# Altium PCB Daughterboard_Rev1_A.PcbDoc (part 2 of 3)
Units mil, origin at the board's own origin, x right, y up, seen from the top; angles counter-clockwise.
Board outline 2125 x 3350 mil, 8 copper layers (Top Layer, GND 1, Signal 1, GND 2, Signal 2, PWR, GND 3, Bottom Layer), stack 59.978 mil thick; 472 components, 211 nets, 1640 pads, 778 vias.
Unrouted connection lines stored in the file: 738.
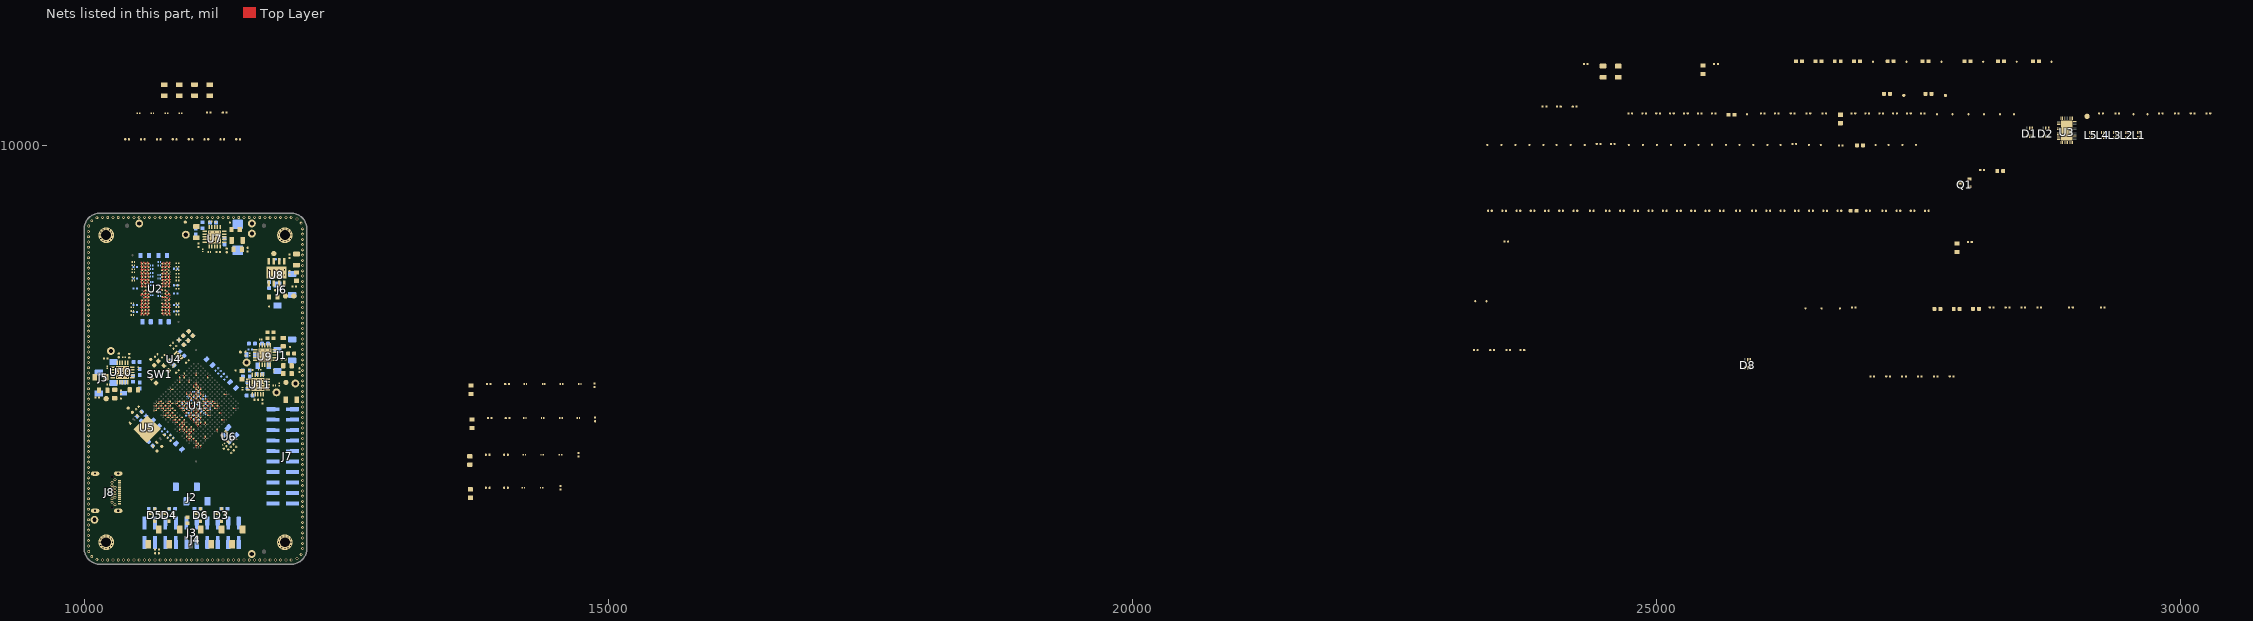
[diagram p8: the nets of this part, all layers, seen from the top]

## Part data
C1 C2 C3 C4 C5 C6 C7 C8 C9 C10 C11 C12 C13 C14 C15 C16 C17 C18 C19 C20 C21 C22 C23 C24 C25 C26 C27 C28 C29 C30 C31 C32 C33 C34 C35 C36 C37 C38 C39 C40 C41 C42 C43 C44 C45 C46 C47 C48 C49 C50 C51 C52 C53 C54 C55 C56 C57 C58 C59 C60 C61 C62 C63 C64 C65 C66 C67 C68 C69 C70 C71 C72 C73 C74 C75 C76 C77 C78 C79 C80 C81 C82 C83 C84 C85 C86 C87 C88 C89 C90 C91 C92 C93 C94 C95 C96 C97 C98 C99 C100 C101 C102 C103 C104 C105 C106 C107 C108 C109 C110 C111 C112 C113 C114 C115 C116 C117 C118 C119 C120 C121 C122 C123 C124 C125 C126 C127 C128 C129 C130 C131 C132 C133 C134 C135 C136 C137 C138 C139 C140 C141 C142 C143 C144 C145 C146 C147 C148 C149 C150 C151 C152 C153 C154 C155 C156 C157 C158 C159 C160 C161 C162 C163 C164 C165 C166 C167 C168 C169 C170 C171 C172 C173 C174 C175 C176 C177 C178 C179 C180 C181 C182 C183 C184 C185 C186 C187 C188 C190 C191 C192 C193 C194 C195 C196 C197 C198 C199 C200 C201 C202 C203 C204 C205 C206 C207 C208 C209 C210 C211 C212 C213 C214 C215 C216 C217 C218 C219 C220 C221 C222 C223 C224 C225 C226 C227 C228 C229: library part CAP_CER, "Generic SMT Ceramic Capacitor", Voltage - Rated=25V, ComponentLink1Description=Digikey, ComponentLink1URL="[Digikey Link]", ComponentLink2Description=Datasheet, ComponentLink2URL="[Datasheet Link]"
C189: library part CAP_T498X476K035ATE500, "47 µF Molded Tantalum Capacitors 35 V 2917 (7343 Metric) 500mOhm", Mfr=KEMET, Operating Temperature="-55C - 150C", Package=2917, Rated Voltage=35V, Supplier Part Number 1=399-11397-1-ND, Tolerance=10%, Part #=T498X476K035ATE500, Supplier 1=Digi-Key
D1 D2 D8: library part DIODE_TPD4E1B06DCKR, "TVS DIODE 5.5VWM 14.5VC SC70-6", Breakdown Voltage=7V, Clamping Voltage=14.5V, Current Peak (10/1ms)=3A, Mfr="Texas Instruments", Operating Temperature="-40C - 125C", Power Peak=45W, Supplier Part Number 1=296-39346-1-ND, Voltage - Reverse=5.5V, Supplier 1=Digi-Key
D3 D4 D5 D6: library part DIODE_BAV99, "DIODE ARRAY GP 75V 300MA SOT23-3", Current=200mA, DC Reverse Voltage=70V, Mfr="Taiwan Semiconductor Corporation", Operating Temperature="-55C - 150C", Diode Configuration="1 Pair Series Connection"
D7 D9 D10: library part DIODE_LED, "Generic LED", Color=GREEN
FB1 FB2 FB3 FB4 FB5 FB6 FB7 FB8 FB9: library part IND_MPZ1005S900HT000, "90 Ohms @ 100 MHz 1 Power Line Ferrite Bead 0402 (1005 Metric) 2.3A 38mOhm", Current Rating=2.3A, Impedance @ Freq="90Ohms @ 100MHz", Operating Temperature="-55C - 125C", Package / Case=0402, Rating=AEC-Q200, Resistance=38mOhms
FB10 FB11 FB12 FB13: library part IND_MPZ2012S300ATD25, "30 Ohms @ 100 MHz 1 Power Line Ferrite Bead 0805 (2012 Metric) 6A 10mOhm", Current Rating=6A, Impedance @ Freq="30Ohms @ 100MHz", Operating Temperature="-55C - 125C", Package / Case=0805, Rating=AEC-Q200, Resistance=10mOhms
J1 J2 J5 J6: library part CONN_SSM-104-L-SV, "CONN RCPT 4POS 0.1 GOLD SMD", Current="5.2A / contact", Mfr="Samtec Inc.", Operating Temperature="-55C - 125C", Insulation Height=290mil, Number of positions=4, Pitch=100mil
J3 J7: library part CONN_SSM-110-L-DV, Current Rating="5.2A per contact", Mfr="Samtech Inc.", Operating Temperature="-55C - 125C", Supplier Part Number 1=SAM1146-10-ND, Voltage Rating="405VAC, 572VDC", Insulation Height=290mils, Mounting Type="Surface Mount", Number of positions=20, Number of rows=2, Pitch=100mils, Supplier 1=Digi-Key
J4: library part CONN_SSM-110-L-SV, "CONN RCPT 10POS 0.1 GOLD SMD", Current="5.2A / contact", Mfr="Samtec Inc.", Operating Temperature="-55C - 125C", Supplier Part Number 1=SAM1148-10-ND, Insulation Height=290mil, Number of positions=10, Pitch=100mil, Supplier 1=Digi-Key
J8: library part CONN_UJ31-CH-G2-SMT-TR, "Type C, USB 3.1 Gen 2, 5 A, Right Angle, Surface Mount _SMT_, USB Receptacle", Current Rating=6.25A, Digikey Part Number=102-4483-1-ND, Mfr="CUI Devices", Operating Temperature="-25C - 80C", Voltage Rating=20V, ComponentLink1Description=Digikey, ComponentLink1URL=https://www.digikey.ca/en/products/detail/cui-devices/UJ31-CH-G2-SMT-TR/8024057, Connector Type=USB-C, Number of Contacts=24, Specifications="USB 3.2 Gen 2 (USB 3.1 Gen 2, Superspeed + (USB 3.1))", Supplier 1=Digi-Key, Supplier Part Number 1=102-4483-1-ND
L1 L2 L3 L4 L5: library part IND_DLM11SN900HY2L, "2 Line Common Mode Choke Surface Mount 90 Ohms @ 100MHz 100mA DCR 1.38Ohm", Current Rating=100mA, DC resistance=1.38Ohm, Operating Temperature="-40C - 85C", Package=0504, Supplier Part Number 1=490-11941-1-ND, Voltage Rating=5V, Impedance="90 Ohms @ 100MHz", Supplier 1=Digi-Key
MT1 MT2 MT3 MT4: library part MOUNTING_HOLE
Q1: library part TRANS_DMN6140L-7, "N-Channel 60 V 1.6A (Ta) 700mW (Ta) Surface Mount SOT-23", Current=1.6A, Mfr="Diodes Incorporated", Operating Temperature="-55C - 150C", Package / Case=SOT-23, Rds ON=140mR, Vds=60V, Vgs=3V
R1 R2 R3 R28 R40 R41 R42 R52 R53 R54 R88 R90 R92 R98 R100 R102: library part RESISTOR, "Resistor", Package / Case=0603, Power=1/8W, Tolerance=10%, ComponentLink1Description=Digikey
R4 R95: library part RESISTOR, "Resistor", Package / Case=0402, Power=1/8W, Tolerance=1%, ComponentLink1Description=Digikey
R5 R6 R7 R8 R9 R60 R61 R62 R63 R64 R65 R66 R67 R68 R69 R70 R71 R72 R73 R74 R75 R76 R77 R78 R79 R80 R81 R82 R85 R86 R87: library part RESISTOR, "Resistor", Package / Case=0402, Power=1/8W, Tolerance=0.5%, ComponentLink1Description=Digikey
R10 R11 R12 R13 R14 R30 R31 R32 R33 R34 R35 R36 R37 R38 R39 R44 R46 R47 R48 R55 R57 R58 R59 R83 R84 R89 R91 R93 R97: library part RESISTOR, "Resistor", Package / Case=0603, Power=1/16W, Tolerance=10%, ComponentLink1Description=Digikey
R15 R16 R17 R18 R19 R20 R21 R22 R23 R24 R25 R26 R27 R29 R49 R94: library part RESISTOR, "Resistor", Package / Case=0402, Power=1/8W, Tolerance=10%, ComponentLink1Description=Digikey
R43 R45 R50: library part RESISTOR, "Resistor", Package / Case=0603, Power=1/8W, Tolerance=2%, ComponentLink1Description=Digikey
R51 R101 R103: library part RESISTOR, "Resistor", Package / Case=0603, Power=1/8W, Tolerance=5%, ComponentLink1Description=Digikey
R56 R96 R99: library part RESISTOR, "Resistor", Package / Case=0603, Power=1/16W, Tolerance=2%, ComponentLink1Description=Digikey
SW1: library part SW_KMR621NG_LFS, "Tactile Switch SPST-NO Top Actuated Surface Mount", Contact Rating="50mA @ 32V", Mfr=C&K, Operating Temperature="-40C to 85C", Supplier Part Number 1=35AH0964, Alternative Part="KMR641NG ULC LFS", ComponentLink1Description=Digikey, ComponentLink1URL=https://www.digikey.ca/en/products/detail/c-k/KMR641NG-ULC-LFS/6035352, ComponentLink2Description=Datasheet, ComponentLink2URL=https://www.ckswitches.com/media/1907/kmr6.pdf, Digikey #=CKN10686CT-ND, Supplier 1=Newark, Type=SPST-NO
TP1 TP2 TP3 TP4 TP5 TP6 TP7 TP8 TP9 TP10 TP11 TP12 TP13 TP14 TP15 TP16 TP17 TP18 TP19 TP20 TP21 TP22 TP23 TP24 TP25 TP26 TP27 TP28 TP29 TP30 TP31 TP32 TP33 TP34 TP35 TP36 TP37 TP38 TP39 TP40 TP41 TP42 TP43 TP44 TP45 TP46 TP47 TP48 TP49 TP50 TP51 TP52 TP53 TP54 TP55 TP56 TP57 TP58 TP59 TP60 TP61 TP62 TP63 TP64 TP65 TP66 TP67 TP68 TP69 TP70 TP71 TP72 TP73 TP74 TP75 TP76 TP77 TP78 TP79 TP80 TP81: library part TESTPOINT, "Test Point"
U1: library part IC_LFE5UM-45F-8BG381C, "IC FPGA 203 I/O 381CABGA", Mfr="Lattice Semiconductors", Operating Temperature="0C - 85C", Package / Case=381-CABGA, Supply Voltage="1.045V - 1.115V", IOs=203, LABs/CLBs=11000, Logic Elements=44000, RAM Bits=1990656
U2: library part IC_MT41K512M16HA-125, "DRAM 8G 1.35V 512Mx16 800 MHz DDR3 0C-90C", Maximum Clock Frequency=800MHz, Mfr="Alliance Memory", Operating Temperature="0C - 95C", Package / Case=FBGA-96, Supply Current (Max)=88mA, Supply Voltage (Max)=1.45V, Supply Voltage (Min)=1.283V, Data Bus Width="16 bits", Memory Organization="512M x 16", Memory Size=8Gb, Type="SDRAM - DDR3L"
U3: library part IC_TUSB546-DCIRNQT, "Buffer, ReDriver 2 Channel 8.1Gbps 40-WQFN (4x6)", Mfr="Texas Instruments", Operating Temperature="0C - 70C", Supplier Part Number 1=296-44773-2-ND, Supply Voltage="3.3V - 3.6V", Supplier 1=Digi-Key
U4: library part IC_MAX6372KA-T, "Watchdog Push-Pull, Totem Pole 1 Channel SOT-23-8", Mfr="Maxim Integrated", Supplier Part Number 1=700-MAX6372KAT, Temperature="-40C - 125C", ComponentLink1Description=Digikey, ComponentLink1URL=https://www.digikey.ca/en/products/detail/analog-devices-inc-maxim-integrated/MAX6372KA-T/1518602, ComponentLink2Description=Datasheet, ComponentLink2URL=https://datasheets.maximintegrated.com/en/ds/MAX6369-MAX6374.pdf, Supplier 1=Mouser, Timeout="Adjustable 1ms - 10s"
U5: library part IC_S25FS512SAGNFI010, "FLASH - NOR Memory IC 512Mb (64M x 8) SPI - Quad I/O, QPI 133 MHz 8-WSON (6x8)", Clock Frequency=133MHz, Mfr=Cypress, Operating Temperature="-40C - 105C", Package="WSON-8 (8x6)", Supplier Part Number 1=S25FS512SAGNFI010-ND, Supply Voltage="2.7V - 3.6V", ComponentLink1Description=Digikey, ComponentLink1URL=https://www.digikey.ca/en/products/detail/cypress-semiconductor-corp/S25FS512SAGNFI010/6596268, ComponentLink2Description=Datasheet, ComponentLink2URL=https://www.infineon.com/dgdl/Infineon-S25FS512S_512_Mb_1.8_V_Serial_Peripheral_Interface_with_Multi-I_O_Non-Volatile_Flash-DataSheet-v14_00-EN.pdf?fileId=8ac78c8c7d0d8da4017d0ed681a356fe&utm_source=cypress&utm_medium=referral&utm_campaign=202110_globe_en_all_integration-files, Memory Size=512Mbits, Supplier 1=Digi-Key
U6: library part IC_TG2520SMN_50.0000M-MCGNNM3, "50 MHz TCXO Clipped Sine Wave Oscillator 2.8V ~ 3.3V - 4-SMD, No Lead", Frequency=50MHz, Frequency Stability=500ppb, Mfr=EPSON, Operating Temperature="-40C to 85C", Supplier Part Number 1=114-TG2520SMN50.0000M-MCGNNM3CT-ND, Supply Current=2mA, Supply Voltage="2.8V - 3.3V", ComponentLink1Description=Digikey, ComponentLink1URL=https://www.digikey.ca/en/products/detail/epson/TG2520SMN-50-0000M-MCGNNM3/13151939, ComponentLink2Description=Datasheet, ComponentLink2URL=https://support.epson.biz/td/api/doc_check.php?dl=brief_TG2520SMN&lang=en, ComponentLink3Description=Manufacturer, ComponentLink3URL=https://www5.epsondevice.com/en/products/tcxo/tg2520smn.html, Supplier 1=Digi-Key, Type=TCXO
U7 U9 U10 U11: library part IC_TPS47701, "IC REG LINEAR POS ADJ 3A 20VQFN", Current=3A, Digikey Part Number=296-27227-1-ND, Input Voltage (max)=5.5V, Input Voltage (min)=240mV, Mfr="Texas Instruments", Operating Temperature="-55C - 125C", Output Voltage (max)=3.6V, Output Voltage (min)=0.8V, Package / Case=20-VQFN, ComponentLink1Description=Digikey, ComponentLink1URL=https://www.digikey.ca/en/products/detail/texas-instruments/TPS74401MRGWREP/2261531, ComponentLink2Description=Datasheet, ComponentLink2URL=https://www.ti.com/lit/ds/symlink/tps74401-ep.pdf, PSRR="73dB - 50dB", Voltage Dropout (max)=240mV
U8: library part IC_LP2996AMRX, "IC REGULATOR DDR TERM 8SOPWRPAD", Continuous Current=1.5A, Mfr="Texas Instruments", Operating Temperature="0C - 125C", Supplier Part Number 1=296-40344-1-ND, Supply Voltage="2.2V - 5.5V", Applications="DDR3 Terminator", Supplier 1=Digi-Key

## Via types
v1: diameter 16, hole 8, Top Layer to Bottom Layer, tented both sides, 478 vias
v2: diameter 28, hole 16, Top Layer to Bottom Layer, tented both sides, 207 vias
v3: diameter 20, hole 10, Top Layer to Bottom Layer, 92 vias
v4: diameter 16, hole 8, Top Layer to Bottom Layer, 1 vias

## Nets (pads, with @x,y where several pads share a name; then routed paths per layer and width w, separated by ;. In a path a pad name is that pad's centre, name@x,y a point inside that pad or via, vN(x,y) a via of type N, cw(c..) or ccw(c..) an arc to the next point about the centre after c; other vN are vias at no path point)
+1V2_FPGA: C1.1 C2.1 C11.1 C12.1 C21.1 C22.1 C27.1 C28.1 C33.1 C34.1 C39.1 C40.1 C222.1 C223.1 C224.1 C225.1 FB1.1 FB2.1 FB3.1 FB4.1 FB5.1 FB6.1 R91.1 R95.1 TP79.1 U10.1 U10.18 U10.19 U10.20
+1V2_FPGA_8: C23.1 C24.1 C25.1 C26.1 FB3.2 U1.J8 U1.K8 U1.L8 U1.M8 | length 89.1
  Top Layer w10: v1(10956.62,7534.77) U1.M8@10978.89,7534.77 ; v1(10978.89,7557.04) U1.L8@11001.16,7557.04 ; U1.K8@11023.43,7579.31 v1(11023.43,7601.58) ; U1.J8@11045.7,7601.58 v1(11045.7,7623.86)
+1V2_FPGA_13: C29.1 C30.1 C31.1 C32.1 FB4.2 U1.J13 U1.K13 U1.L13 U1.M13 | length 89.1
  Top Layer w10: v1(11090.24,7401.14) U1.M13@11090.24,7423.42 ; v1(11112.51,7423.42) U1.L13@11112.51,7445.69 ; U1.K13@11134.79,7467.96 v1(11157.06,7467.96) ; U1.J13@11157.06,7490.23 v1(11179.33,7490.23)
+1V2_FPGA_A: C41.1 C42.1 C43.1 FB6.2 U1.T6 U1.T15 U1.U6 U1.U15 | length 89.1
  Top Layer w10: v1(10800.72,7467.96) U1.U6@10822.99,7467.96 ; v1(10822.99,7490.23) U1.T6@10845.26,7490.23 ; v1(11023.43,7245.25) U1.U15@11023.43,7267.52 ; v1(11045.7,7267.52) U1.T15@11045.7,7289.79
+1V2_FPGA_FB: R95.2 R101.1 U10.16
+1V2_FPGA_H: C3.1 C4.1 C5.1 C6.1 C7.1 C8.1 C9.1 C10.1 FB1.2 U1.H8 U1.H9 U1.H10 U1.H11 U1.H12 U1.H13 | length 133.6
  Top Layer w10: U1.H8@11067.97,7623.86 v1(11067.97,7646.13) ; U1.H9@11090.24,7601.58 v1(11090.24,7623.86) ; U1.H10@11112.51,7579.31 v1(11112.51,7601.58) ; U1.H11@11134.79,7557.04 v1(11157.06,7557.04) ; U1.H12@11157.06,7534.77 v1(11179.33,7534.77) ; U1.H13@11179.33,7512.5 v1(11201.6,7512.5)
+1V2_FPGA_N: C13.1 C14.1 C15.1 C16.1 C17.1 C18.1 C19.1 C20.1 FB2.2 U1.N8 U1.N9 U1.N10 U1.N11 U1.N12 U1.N13 | length 133.6
  Top Layer w10: v1(10934.35,7512.5) U1.N8@10956.62,7512.5 ; v1(10956.62,7490.23) U1.N9@10978.89,7490.23 ; v1(10978.89,7467.96) U1.N10@11001.16,7467.96 ; v1(11023.43,7423.42) U1.N11@11023.43,7445.69 ; v1(11045.7,7401.14) U1.N12@11045.7,7423.42 ; v1(11067.97,7378.87) U1.N13@11067.97,7401.14
+1V2_FPGA_TX: C35.1 C36.1 C37.1 C38.1 FB5.2 U1.T7 U1.T10 U1.T11 U1.T14 | length 89.1
  Top Layer w10: v1(10845.26,7467.96) U1.T7@10867.53,7467.96 ; v1(10912.07,7401.14) U1.T10@10934.35,7401.14 ; v1(10956.62,7356.6) U1.T11@10956.62,7378.87 ; v1(11023.43,7289.79) U1.T14@11023.43,7312.06
+1V5_FPGA: C206.1 C207.1 C208.1 C209.1 C210.1 C212.1 FB13.2 R90.1 TP74.1 U10.5 U10.6 U10.7 U10.8 U10.10
+1V5_FPGA_IN: C205.1 FB13.1 J5.2 J5.3
+1V35_DDR: C169.1 C188.1 C189.1 C190.1 C191.1 C192.1 FB11.1 R55.1 R56.1 TP45.1 U7.1 U7.18 U7.19 U7.20
+2V3_DDR: C166.1 C167.1 C168.1 C173.1 C174.1 C180.1 C181.1 FB10.2 TP38.1 U7.5 U7.6 U7.7 U7.8 U7.10 U8.6
+2V3_DDR_IN: C165.1 FB10.1 J6.2 J6.3
+2V5_FPGA: C44.1 C45.1 C51.1 C52.1 C226.1 C227.1 C228.1 C229.1 FB7.1 FB8.1 R93.1 R96.1 TP80.1 U11.1 U11.18 U11.19 U11.20
+2V5_FPGA_AUX: C46.1 C47.1 C48.1 C49.1 C50.1 FB7.2 U1.F6 U1.F15 U1.P6 U1.P15 | length 89.1
  Top Layer w10: v1(10867.53,7534.77) U1.P6@10889.8,7534.77 ; U1.F6@11067.97,7712.94 v1(11067.97,7735.21) ; v1(11090.24,7312.06) U1.P15@11090.24,7334.33 ; U1.F15@11268.41,7512.5 v1(11290.68,7512.5)
+2V5_FPGA_AUX_A: C53.1 C54.1 C55.1 C56.1 C57.1 FB8.2 U1.V10 U1.V11 U1.V17 U1.V18 | length 89.1
  Top Layer w10: v1(10867.53,7356.6) U1.V10@10889.8,7356.6 ; v1(10912.07,7312.06) U1.V11@10912.07,7334.33 ; v1(11045.7,7178.43) U1.V17@11045.7,7200.7 ; v1(11067.97,7156.16) U1.V18@11067.97,7178.43
+2V5_FPGA_FB: R96.2 R103.1 U11.16
+3V3_FPGA: C152.1 C153.1 C154.1 C155.1 C156.1 C157.1 C164.1 C213.1 C217.1 C218.1 C219.1 C220.1 C221.1 D3.1 D4.1 D5.1 D6.1 FB9.1 J4.1 R30.1 R31.1 R32.1 R33.1 R34.1 R35.1 R36.1 R37.1 R38.1 R43.1 R45.1 R46.1 R47.1 R48.1 R50.1 R51.1 R89.1 R92.1 R94.1 TP78.1 U1.P9 U1.P10 U4.8 U5.8 U9.1 U9.18 U9.19 U9.20 U11.5 U11.6 U11.7 U11.8 U11.10 | length 44.5
  Top Layer w10: v1(10934.35,7467.96) U1.P9@10956.62,7467.96 ; v1(10956.62,7445.69) U1.P10@10978.89,7445.69
+3V3_FPGA_FB: R97.2 R99.1 U9.16
+3V3_USB: C134.1 C135.1 C136.1 C137.1 C138.1 R10.1 R11.1 R15.1 R16.1 R17.1 R18.1 R19.1 R20.1 R27.1 R28.2 TP21.1 U3.1 U3.6 U3.20 U3.28
+3V6_FPGA: C200.1 C201.1 C202.1 C203.1 C204.1 C211.1 FB12.2 R88.1 TP73.1 U9.5 U9.6 U9.7 U9.8 U9.10
+3V6_FPGA_IN: C199.1 FB12.1 J1.2 J1.3
+5V_USB: J2.2 J2.3
+12V_USB: C132.1 C133.1
+USB1_5V: C143.1 C144.1 R12.1 R13.1 R14.1
+USB1_VOUT: C139.1 J8.A4 J8.A9 J8.B4 J8.B9
+VDDR: C58.1 C59.1 C60.1 C61.1 C62.1 C63.1 C64.1 C65.1 C66.1 C67.1 C68.1 C69.1 C70.1 C71.1 C72.1 C73.1 C74.1 C75.1 C76.1 C77.1 C78.1 C79.1 C80.1 C81.1 C82.1 C83.1 C84.1 C85.1 C86.1 C87.1 C88.1 C89.1 C90.1 C91.1 C92.1 C93.1 C94.1 C95.1 C96.1 C97.1 C98.1 C99.1 C100.1 C101.1 C102.1 C103.1 C104.1 C105.1 C106.1 C107.1 C108.1 C109.1 C110.1 C111.1 C112.1 C113.1 C114.1 C115.1 C117.1 C193.2 C194.2 C195.2 C196.2 C197.2 C198.2 U2.A1 U2.A8 U2.B2 U2.C1 U2.C9 U2.D2 U2.D9 U2.E9 U2.F1 U2.G7 U2.H2 U2.H9 U2.K2 U2.K8 U2.N1 U2.N9 U2.R1 U2.R9 | length 356.3
  Top Layer w12: v1@10538.14,8725.56 U2.F1@10553.89,8709.81 ; v1(10538.37,8410.24) U2.R1@10554.12,8425.98 ; v1(10538.37,8473.23) U2.N1@10554.12,8488.98 ; v1(10538.37,8819.68) U2.C1@10554.12,8803.94 ; v1(10538.37,8882.68) U2.A1@10554.12,8866.93 ; v1(10569.87,8567.72) U2.K2@10585.61,8583.46 ; v1(10569.87,8662.2) U2.H2@10585.61,8646.46 ; v1(10569.87,8788.19) U2.D2@10585.61,8772.44 ; v1(10569.87,8851.18) U2.B2@10585.61,8835.43 ; U2.G7@10743.09,8677.95 v1(10758.84,8693.7) ; U2.K8@10774.59,8583.46 v1(10790.34,8567.72) ; U2.A8@10774.59,8866.93 v1(10790.34,8882.68) ; U2.R9@10806.09,8425.98 v1(10821.83,8410.24) ; U2.N9@10806.09,8488.98 v1(10821.83,8473.23) ; U2.H9@10806.09,8646.46 v1(10821.83,8662.2) ; U2.E9@10806.09,8740.94 v1(10821.83,8756.69)
  other v1: 10538.37,8725.2 10821.83,8788.19 10821.83,8819.68
+VREF: C176.1 C177.1 C178.1 C179.1 C180.2 C181.2 TP43.1 U2.H1 U2.M8 U8.4 | length 44.5
  Top Layer w12: v1(10538.37,8662.2) U2.H1@10554.12,8646.46 ; U2.M8@10774.59,8520.47 v1(10790.34,8504.72)
+VTT: C182.1 C183.1 C184.1 C185.1 C186.1 C187.1 C193.1 C194.1 C195.1 C196.1 C197.1 C198.1 R60.2 R61.2 R62.2 R63.2 R64.2 R65.2 R66.2 R67.2 R68.2 R69.2 R70.2 R71.2 R72.2 R73.2 R74.2 R75.2 R76.2 R77.2 R78.2 R79.2 R80.2 R81.2 R82.2 R85.2 R86.2 R87.2 TP40.1 U8.3 U8.8
\C\A\S\: U2.K3 | length 22.3
  Top Layer w12: v1(10601.36,8567.72) U2.K3@10617.11,8583.46
\C\S\: R80.1 R83.1 TP69.1 U2.L2 | length 22.3
  Top Layer w12: v1(10569.87,8536.22) U2.L2@10585.61,8551.97
\R\A\S\: U2.J3 | length 22.3
  Top Layer w12: v1(10601.36,8599.21) U2.J3@10617.11,8614.96
\R\E\S\E\T\: R81.1 R84.1 TP70.1 U2.T2 | length 22.3
  Top Layer w12: v1(10569.87,8378.74) U2.T2@10585.61,8394.49
\W\E\: U2.L3 | length 22.3
  Top Layer w12: v1(10601.36,8536.22) U2.L3@10617.11,8551.97
A0: R60.1 TP47.1 U2.N3 | length 22.3
  Top Layer w12: v1(10601.36,8473.23) U2.N3@10617.11,8488.98
A1: R61.1 TP48.1 U2.P7 | length 22.3
  Top Layer w12: U2.P7@10743.09,8457.48 v1(10758.84,8441.73)
A2: R64.1 TP51.1 U2.P3 | length 22.3
  Top Layer w12: v1(10601.36,8441.73) U2.P3@10617.11,8457.48
A3: R67.1 TP54.1 U2.N2 | length 22.3
  Top Layer w12: v1(10569.87,8473.23) U2.N2@10585.61,8488.98
A4: R68.1 TP55.1 U2.P8 | length 22.3
  Top Layer w12: U2.P8@10774.59,8457.48 v1(10790.34,8441.73)
A5: R71.1 TP58.1 U2.P2 | length 22.3
  Top Layer w12: v1(10569.87,8441.73) U2.P2@10585.61,8457.48
A6: R74.1 TP61.1 U2.R8 | length 22.3
  Top Layer w12: U2.R8@10774.59,8425.98 v1(10790.34,8410.24)
A7: R75.1 TP62.1 U2.R2 | length 22.3
  Top Layer w12: v1(10569.87,8410.24) U2.R2@10585.61,8425.98
A8: R77.1 TP64.1 U2.T8 | length 22.3
  Top Layer w12: U2.T8@10774.59,8394.49 v1(10790.34,8378.74)
A9: R78.1 TP65.1 U2.R3 | length 22.3
  Top Layer w12: v1(10601.36,8410.24) U2.R3@10617.11,8425.98
A10: R79.1 TP66.1 U2.L7 | length 22.3
  Top Layer w12: U2.L7@10743.09,8551.97 v1(10758.84,8536.22)
A11: R82.1 TP67.1 U2.R7 | length 22.3
  Top Layer w12: U2.R7@10743.09,8425.98 v1(10758.84,8410.24)
A12: R85.1 TP68.1 U2.N7 | length 22.3
  Top Layer w12: U2.N7@10743.09,8488.98 v1(10758.84,8473.23)
A13: R86.1 TP71.1 U2.T3 | length 22.3
  Top Layer w12: v1(10601.36,8378.74) U2.T3@10617.11,8394.49
A14: R87.1 TP72.1 U2.T7 | length 22.3
  Top Layer w12: U2.T7@10743.09,8394.49 v1(10758.84,8378.74)
ADC0: J7.1
ADC1: J7.3
ADC2: J7.7
ADC3: J7.9
ADC4: J7.11
ADC5: J7.15
ADC6: J7.17
ADC7: J7.19
ADC8: J7.2
ADC9: J7.4
ADC10: J7.6
ADC11: J7.10
ADC12: J7.12
ADC13: J7.14
ADC14: J7.18
ADC15: J7.20
BA0: R62.1 TP49.1 U2.M2 | length 22.3
  Top Layer w12: v1(10569.87,8504.72) U2.M2@10585.61,8520.47
BA1: R65.1 TP52.1 U2.N8 | length 22.3
  Top Layer w12: U2.N8@10774.59,8488.98 v1(10790.34,8473.23)
BA2: R69.1 TP56.1 U2.M3 | length 22.3
  Top Layer w12: v1(10601.36,8504.72) U2.M3@10617.11,8520.47
CAS: R73.1 TP60.1
CKE: R72.1 TP59.1 U2.K9 | length 22.3
  Top Layer w12: U2.K9@10806.09,8583.46 v1(10821.83,8567.72)
CLK_N: C118.2 R7.2 R9.2
CLK_P: C118.1 R6.2 R7.1 U2.J7 | length 22.3
  Top Layer w12: v1(10727.35,8630.71) U2.J7@10743.09,8614.96
CLK_TERM: C117.2 R6.1 R9.1
D0: U2.E3 | length 22.3
  Top Layer w12: v1@10601.14,8757.06 U2.E3@10616.88,8741.31
  other v1: 10601.36,8756.69
D0S_N: C116.2 R5.2 U2.G3 | length 22.3
  Top Layer w12: v1(10601.36,8693.7) U2.G3@10617.11,8677.95
D0S_P: C116.1 R5.1 U2.F3 | length 22.3
  Top Layer w12: v1@10601.14,8725.56 U2.F3@10616.88,8709.81
  other v1: 10601.36,8725.2
D1: U2.F7 | length 22.3
  Top Layer w12: U2.F7@10743.09,8709.45 v1(10758.84,8725.2)
D1S_N: C119.2 R8.2 U2.B7 | length 22.3
  Top Layer w12: U2.B7@10743.09,8835.43 v1(10758.84,8851.18)
D1S_P: C119.1 R8.1 U2.C7 | length 22.3
  Top Layer w12: U2.C7@10743.09,8803.94 v1(10758.84,8819.68)
D2: U2.F2 | length 22.3
  Top Layer w12: v1@10569.64,8725.56 U2.F2@10585.39,8709.81
  other v1: 10569.87,8725.2
D3: U2.F8 | length 22.3
  Top Layer w12: U2.F8@10774.59,8709.45 v1(10790.34,8725.2)
D4: U2.H3 | length 22.3
  Top Layer w12: v1(10601.36,8662.2) U2.H3@10617.11,8646.46
D5: U2.H8 | length 22.3
  Top Layer w12: U2.H8@10774.59,8646.46 v1(10790.34,8662.2)
D6: U2.G2 | length 22.3
  Top Layer w12: v1(10569.87,8693.7) U2.G2@10585.61,8677.95
D7: U2.H7 | length 22.3
  Top Layer w12: U2.H7@10743.09,8646.46 v1(10758.84,8662.2)
D8: U2.D7 | length 22.3
  Top Layer w12: U2.D7@10743.09,8772.44 v1(10758.84,8788.19)
D9: U2.C3 | length 22.3
  Top Layer w12: v1(10601.36,8819.68) U2.C3@10617.11,8803.94
D10: U2.C8 | length 22.3
  Top Layer w12: U2.C8@10774.59,8803.94 v1(10790.34,8819.68)
D11: U2.C2 | length 22.3
  Top Layer w12: v1(10569.87,8819.68) U2.C2@10585.61,8803.94
D12: U2.A7 | length 22.3
  Top Layer w12: U2.A7@10743.09,8866.93 v1(10758.84,8882.68)
D13: U2.A2 | length 22.3
  Top Layer w12: v1(10569.87,8882.68) U2.A2@10585.61,8866.93
D14: U2.B8 | length 22.3
  Top Layer w12: U2.B8@10774.59,8835.43 v1(10790.34,8851.18)
D15: U2.A3 | length 22.3
  Top Layer w12: v1(10601.36,8882.68) U2.A3@10617.11,8866.93
DONE: C145.1 J4.9 Q1.1 R30.2 TP23.1 U1.Y3 | length 22.3
  Top Layer w10: v1(10667.09,7467.96) U1.Y3@10689.36,7467.96
FLASH_CS: C151.1 R3.1 TP36.1 U5.1
FLASH_MISO: R1.1 TP33.1 U5.2
FLASH_MOSI: R2.1 TP34.1 U5.5
FLASH_SCLK: TP35.1 U1.U3 U5.6 | length 22.3
  Top Layer w10: v1(10733.91,7534.77) U1.U3@10756.18,7534.77
FPGA_CFG0: C148.1 R33.2 R40.1 TP26.1 U1.U4 | length 22.3
  Top Layer w10: v1(10756.18,7512.5) U1.U4@10778.45,7512.5
FPGA_CFG1: C149.1 R34.2 R41.1 TP27.1 U1.T4 | length 22.3
  Top Layer w10: v1(10778.45,7534.77) U1.T4@10800.72,7534.77
FPGA_CFG2: C150.1 R35.2 R42.1 TP28.1 U1.R4 | length 22.3
  Top Layer w10: v1(10800.72,7557.04) U1.R4@10822.99,7557.04
GND: C1.2 C2.2 C3.2 C4.2 C5.2 C6.2 C7.2 C8.2 C9.2 C10.2 C11.2 C12.2 C13.2 C14.2 C15.2 C16.2 C17.2 C18.2 C19.2 C20.2 C21.2 C22.2 C23.2 C24.2 C25.2 C26.2 C27.2 C28.2 C29.2 C30.2 C31.2 C32.2 C33.2 C34.2 C35.2 C36.2 C37.2 C38.2 C39.2 C40.2 C41.2 C42.2 C43.2 C44.2 C45.2 C46.2 C47.2 C48.2 C49.2 C50.2 C51.2 C52.2 C53.2 C54.2 C55.2 C56.2 C57.2 C58.2 C59.2 C60.2 C61.2 C62.2 C63.2 C64.2 C65.2 C66.2 C67.2 C68.2 C69.2 C70.2 C71.2 C72.2 C73.2 C74.2 C75.2 C76.2 C77.2 C78.2 C79.2 C80.2 C81.2 C82.2 C83.2 C84.2 C85.2 C86.2 C87.2 C88.2 C89.2 C90.2 C91.2 C92.2 C93.2 C94.2 C95.2 C96.2 C97.2 C98.2 C99.2 C100.2 C101.2 C102.2 C103.2 C104.2 C105.2 C106.2 C107.2 C108.2 C109.2 C110.2 C111.2 C112.2 C113.2 C114.2 C115.2 C130.2 C131.2 C132.2 C133.2 C134.2 C135.2 C136.2 C137.2 C138.2 C139.2 C140.2 C141.2 C142.2 C143.2 C144.2 C145.2 C146.2 C147.2 C148.2 C149.2 C150.2 C151.2 C152.2 C153.2 C154.2 C155.2 C156.2 C157.2 C158.2 C159.2 C160.2 C161.2 C162.2 C163.2 C164.2 C165.2 C166.2 C167.2 C168.2 C169.2 C170.2 C171.2 C172.2 C173.2 C174.2 C175.2 C176.2 C177.2 C178.2 C179.2 C182.2 C183.2 C184.2 C185.2 C186.2 C187.2 C188.2 C189.2 C190.2 C191.2 C192.2 C199.2 C200.2 C201.2 C202.2 C203.2 C204.2 C205.2 C206.2 C207.2 C208.2 C209.2 C210.2 C211.2 C212.2 C213.2 C214.2 C215.2 C216.2 C217.2 C218.2 C219.2 C220.2 C221.2 C222.2 C223.2 C224.2 C225.2 C226.2 C227.2 C228.2 C229.2 D1.3 D2.3 D3.2 D4.2 D5.2 D6.2 D8.3 J1.1 J1.4 J2.1 J2.4 J3.1 J3.6 J3.7 J3.12 J3.13 J3.19 J3.20 J4.7 J5.1 J5.4 J6.1 J6.4 J7.5 J7.8 J7.13 J7.16 J8.A1 J8.A12 J8.B1 J8.B12 J8.SH1 J8.SH2 J8.SH3 J8.SH4 MT1.1 MT2.1 MT3.1 MT4.1 Q1.2 R4.1 R21.2 R22.2 R23.2 R24.2 R25.2 R26.2 R29.2 R39.2 R40.2 R41.2 R42.2 R44.2 R52.2 R53.2 R54.2 R57.2 R58.2 R59.2 R83.2 R84.2 R98.2 R99.2 R100.2 R101.2 R102.2 R103.2 SW1.2 SW1.3 TP1.1 TP2.1 TP3.1 TP4.1 TP5.1 TP46.1 TP81.1 U1.B7 U1.B14 U1.C19 U1.D4 U1.F7 U1.F8 U1.F13 U1.F14 U1.G4 U1.G6 U1.G7 U1.G8 U1.G9 U1.G10 U1.G11 U1.G12 U1.G13 U1.G14 U1.G15 U1.G17 U1.H19 U1.J2 U1.J7 U1.J9 U1.J10 U1.J11 U1.J12 U1.J14 U1.K6 U1.K7 U1.K9 U1.K10 U1.K11 U1.K12 U1.K14 U1.K15 U1.L9 U1.L10 U1.L11 U1.L12 U1.M2 U1.M7 U1.M9 U1.M10 U1.M11 U1.M12 U1.M14 U1.M16 U1.N6 U1.N7 U1.N14 U1.N15 U1.P7 U1.P8 U1.P11 U1.P12 U1.P13 U1.P14 U1.R19 U1.U7 U1.U8 U1.U9 U1.U10 U1.U11 U1.U12 U1.U13 U1.U14 U1.V5 U1.V6 U1.V7 U1.V8 U1.V9 U1.V12 U1.V13 U1.V14 U1.V15 U1.V16 U1.V19 U1.V20 U1.W6 U1.W7 U1.W12 U1.W15 U1.W16 U1.W19 U2.A9 U2.B1 U2.B3 U2.B9 U2.D1 U2.D8 U2.E1 U2.E2 U2.E8 U2.F9 U2.G1 U2.G8 U2.G9 U2.J2 U2.J8 U2.M1 U2.M9 U2.P1 U2.P9 U2.T1 U2.T9 U3.41 U4.2 U5.4 U5.9 U6.2 U7.2 U7.3 U7.4 U7.12 U7.13 U7.14 U7.17 U7.21 U8.1 U8.9 U9.2 U9.3 U9.4 U9.12 U9.13 U9.14 U9.17 U9.21 U10.2 U10.3 U10.4 U10.12 U10.13 U10.14 U10.17 U10.21 U11.2 U11.3 U11.4 U11.12 U11.13 U11.14 U11.17 U11.21 | length 2360.7
  Top Layer w10: v1(10756.18,7423.42) U1.W6@10778.45,7423.42 ; v1(10756.18,7467.96) U1.V5@10778.45,7467.96 ; v1(10778.45,7401.14) U1.W7@10800.72,7401.14 ; v1(10778.45,7445.69) U1.V6@10800.72,7445.69 ; v1(10800.72,7423.42) U1.V7@10822.99,7423.42 ; v1(10822.99,7401.14) U1.V8@10845.26,7401.14 ; v1(10822.99,7445.69) U1.U7@10845.26,7445.69 ; v1(10822.99,7668.4) U1.M2@10845.26,7668.4 ; v1(10845.26,7378.87) U1.V9@10867.53,7378.87 ; v1(10845.26,7423.42) U1.U8@10867.53,7423.42 ; v1(10867.53,7401.14) U1.U9@10889.8,7401.14 ; v1(10889.8,7378.87) U1.U10@10912.07,7378.87 ; v1(10889.8,7512.5) U1.P7@10912.07,7512.5 ; v1(10889.8,7557.04) U1.N6@10912.07,7557.04 ; v1(10912.07,7267.52) U1.W12@10912.07,7289.79 ; v1(10912.07,7490.23) U1.P8@10934.35,7490.23 ; v1(10912.07,7534.77) U1.N7@10934.35,7534.77 ; U1.J2@10912.07,7735.21 v1(10912.07,7757.48) ; v1(10934.35,7289.79) U1.V12@10934.35,7312.06 ; v1(10934.35,7334.33) U1.U11@10934.35,7356.6 ; v1(10934.35,7557.04) U1.M7@10956.62,7557.04 ; v1(10956.62,7267.52) U1.V13@10956.62,7289.79 ; v1(10956.62,7312.06) U1.U12@10956.62,7334.33 ; v1(10978.89,7200.7) U1.W15@10978.89,7222.98 ; v1(10978.89,7245.25) U1.V14@10978.89,7267.52 ; v1(10978.89,7289.79) U1.U13@10978.89,7312.06 ; v1(10978.89,7512.5) U1.M9@11001.16,7512.5 ; U1.K6@10978.89,7623.86 v1(10978.89,7646.13) ; v1(11001.16,7178.43) U1.W16@11001.16,7200.7 ; v1(11001.16,7222.98) U1.V15@11001.16,7245.25 ; v1(11001.16,7267.52) U1.U14@11001.16,7289.79 ; v1(11001.16,7401.14) U1.P11@11001.16,7423.42 ; v1(11001.16,7490.23) U1.M10@11023.43,7490.23 ; v1(11001.16,7534.77) U1.L9@11023.43,7534.77 ; U1.K7@11001.16,7601.58 v1(11001.16,7623.86) ; U1.G4@11001.16,7735.21 v1(11001.16,7757.48) ; v1(11023.43,7200.7) U1.V16@11023.43,7222.98 ; v1(11023.43,7378.87) U1.P12@11023.43,7401.14 ; v1(11023.43,7512.5) U1.L10@11045.7,7512.5 ; U1.J7@11023.43,7623.86 v1(11023.43,7646.13) ; v1(11045.7,7356.6) U1.P13@11045.7,7378.87 ; v1(11045.7,7445.69) U1.M11@11045.7,7467.96 ; U1.K9@11045.7,7557.04 v1(11045.7,7579.31) ; U1.G6@11045.7,7690.67 v1(11045.7,7712.94) ; v1(11067.97,7111.62) U1.W19@11067.97,7133.89 ; v1(11067.97,7334.33) U1.P14@11067.97,7356.6 ; v1(11067.97,7423.42) U1.M12@11067.97,7445.69 ; v1(11067.97,7467.96) U1.L11@11067.97,7490.23 ; U1.K10@11067.97,7534.77 v1(11067.97,7557.04) ; U1.J9@11067.97,7579.31 v1(11067.97,7601.58) ; U1.G7@11067.97,7668.4 v1(11067.97,7690.67) ; U1.D4@11067.97,7802.02 v1(11067.97,7824.3) ; v1(11090.24,7133.89) U1.V19@11090.24,7156.16 ; v1(11090.24,7356.6) U1.N14@11090.24,7378.87 ; v1(11090.24,7445.69) U1.L12@11090.24,7467.96 ; U1.K11@11090.24,7512.5 v1(11112.51,7512.5) ; U1.J10@11090.24,7557.04 v1(11090.24,7579.31) ; U1.G8@11090.24,7646.13 v1(11090.24,7668.4) ; U1.F7@11090.24,7690.67 v1(11090.24,7712.94) ; v1(11112.51,7111.62) U1.V20@11112.51,7133.89 ; v1(11112.51,7334.33) U1.N15@11112.51,7356.6 ; v1(11112.51,7378.87) U1.M14@11112.51,7401.14 ; U1.K12@11112.51,7490.23 v1(11134.79,7490.23) ; U1.J11@11112.51,7534.77 v1(11134.79,7534.77) ; U1.G9@11112.51,7623.86 v1(11112.51,7646.13) ; U1.F8@11112.51,7668.4 v1(11112.51,7690.67) ; U1.J12@11134.79,7512.5 v1(11157.06,7512.5) ; U1.G10@11134.79,7601.58 v1(11134.79,7623.86) ; v1(11157.06,7200.7) U1.R19@11157.06,7222.98 ; v1(11157.06,7334.33) U1.M16@11157.06,7356.6 ; U1.K14@11157.06,7445.69 v1(11179.33,7445.69) ; U1.G11@11157.06,7579.31 v1(11179.33,7579.31) ; U1.K15@11179.33,7423.42 v1(11201.6,7423.42) ; U1.J14@11179.33,7467.96 v1(11201.6,7467.96) ; U1.G12@11179.33,7557.04 v1(11201.6,7557.04) ; U1.B7@11179.33,7779.75 v1(11179.33,7802.02) ; U1.G13@11201.6,7534.77 v1(11223.87,7534.77) ; U1.G14@11223.87,7512.5 v1(11246.14,7512.5) ; U1.F13@11223.87,7557.04 v1(11246.14,7557.04) ; U1.G15@11246.14,7490.23 v1(11268.41,7490.23) ; U1.F14@11246.14,7534.77 v1(11268.41,7534.77) ; U1.G17@11290.68,7445.69 v1(11312.95,7445.69) ; U1.H19@11312.95,7378.87 v1(11335.23,7378.87) ; U1.B14@11335.23,7623.86 v1(11357.5,7623.86) ; U1.C19@11424.31,7490.23 v1(11446.58,7490.23)
  Top Layer w12: v1@10538.14,8757.06 U2.E1@10553.89,8741.31 ; v1(10538.37,8378.74) U2.T1@10554.12,8394.49 ; v1(10538.37,8441.73) U2.P1@10554.12,8457.48 ; v1(10538.37,8504.72) U2.M1@10554.12,8520.47 ; v1(10538.37,8693.7) U2.G1@10554.12,8677.95 ; v1(10538.37,8788.19) U2.D1@10554.12,8772.44 ; v1(10538.37,8851.18) U2.B1@10554.12,8835.43 ; v1@10569.64,8757.06 U2.E2@10585.39,8741.31 ; v1(10569.87,8599.21) U2.J2@10585.61,8614.96 ; v1(10601.36,8851.18) U2.B3@10617.11,8835.43 ; U2.J8@10774.59,8614.96 v1(10790.34,8599.21) ; U2.G8@10774.59,8677.95 v1(10790.34,8693.7) ; U2.E8@10774.59,8740.94 v1(10790.34,8756.69) ; U2.D8@10774.59,8772.44 v1(10790.34,8788.19) ; U2.T9@10806.09,8394.49 v1(10821.83,8378.74) ; U2.P9@10806.09,8457.48 v1(10821.83,8441.73) ; U2.M9@10806.09,8520.47 v1(10821.83,8536.22) ; U2.G9@10806.09,8677.95 v1(10821.83,8693.7) ; U2.F9@10806.09,8709.45 v1(10821.83,8725.2) ; U2.B9@10806.09,8835.43 v1(10821.83,8851.18) ; U2.A9@10806.09,8866.93 v1(10821.83,8882.68)
  other v1: 10538.37,8756.69 10569.87,8756.69
  other v2: 10175,6040 10225,6040 10275,6040 10325,6040 10375,6040 10425,6040 10475,6040 10525,6040 10575,6040 10625,6040 10675,6040 10725,6040 10775,6040 10825,6040 10875,6040 10925,6040 10975,6040 11025,6040 11075,6040 11125,6040 11175,6040 11225,6040 11275,6040 11325,6040 11375,6040 11425,6040 11475,6040 11525,6040 11575,6040 11625,6040 11675,6040 11725,6040 11775,6040 11825,6040 11875,6040 11925,6040 11975,6040 10121.53,6043.75 12030,6054.74 10072.22,6072.22 12070.26,6095 10043.75,6121.53 12085,6150 10040,6175 12085,6200 10040,6225 12085,6250 10040,6275 12085,6300 10040,6325 12085,6350 10040,6375 12085,6400 10040,6425 12085,6450 10040,6475 12085,6500 10040,6525 12085,6550 10040,6575 12085,6600 10040,6625 12085,6650 10040,6675 12085,6700 10040,6725 12085,6750 10040,6775 12085,6800 10040,6825 12085,6850 10040,6875 12085,6900 10040,6925 12085,6950 10040,6975 12085,7000 10040,7025 12085,7050 10040,7075 12085,7100 10040,7125 12085,7150 10040,7175 12085,7200 10040,7225 12085,7250 10040,7275 12085,7300 10040,7325 12085,7350 10040,7375 12085,7400 10040,7425 12085,7450 10040,7475 12085,7500 10040,7525 12085,7550 10040,7575 12085,7600 10040,7625 12085,7650 10040,7675 12085,7700 10040,7725 12085,7750 10040,7775 12085,7800 10040,7825 12085,7850 10040,7875 12085,7900 10040,7925 12085,7950 10040,7975 12085,8000 10040,8025 12085,8050 10040,8075 12085,8100 10040,8125 12085,8150 10040,8175 12085,8200 10040,8225 12085,8250 10040,8275 12085,8300 10040,8325 12085,8350 10040,8375 12085,8400 10040,8425 12085,8450 10040,8475 12085,8500 10040,8525 12085,8550 10040,8575 12085,8600 10040,8625 12085,8650 10040,8675 12085,8700 10040,8725 12085,8750 10040,8775 12085,8800 10040,8825 12085,8850 10040,8875 12085,8900 10040,8925 12085,8950 10040,8975 12085,9000 10040,9025 12085,9050 10040,9075 12085,9100 10040,9125 12085,9150 10040,9175 12085,9200 10043.75,9228.47 12070.26,9255 10072.22,9277.78 12030,9295.26 10121.53,9306.25 10175,9310 10225,9310 10275,9310 10325,9310 10375,9310 10425,9310 10475,9310 10525,9310 10575,9310 10625,9310 10675,9310 10725,9310 10775,9310 10825,9310 10875,9310 10925,9310 10975,9310 11025,9310 11075,9310 11125,9310 11175,9310 11225,9310 11275,9310 11325,9310 11375,9310 11425,9310 11475,9310 11525,9310 11575,9310 11625,9310 11675,9310 11725,9310 11775,9310 11825,9310 11875,9310 11925,9310 11975,9310
  other v3: 10210,6150 11915,6150 10180,6158.04 10240,6158.04 11885,6158.04 11945,6158.04 10158.04,6180 10261.96,6180 11863.04,6180 11966.96,6180 10150,6210 10270,6210 11855,6210 11975,6210 10158.04,6240 10261.96,6240 11863.04,6240 11966.96,6240 10180,6261.96 10240,6261.96 11885,6261.96 11945,6261.96 10210,6270 11915,6270 11610.04,7667.36 11657.09,7667.41 11704.14,7667.36 11610.09,7714.41 11657.09,7714.41 11704.09,7714.41 11610.04,7761.46 11657.09,7761.41 11704.14,7761.46 10317.95,7782.95 10365,7783 10412.05,7782.95 10318,7830 10365,7830 10412,7830 10317.95,7877.05 10365,7877 10412.05,7877.05 11676.95,7949.95 11724,7950 11771.05,7949.95 11677,7997 11724,7997 11771,7997 11676.95,8044.05 11724,8044 11771.05,8044.05 11760,8760 11810,8760 11860,8760 11910,8760 11760,8810 11810,8810 11860,8810 11910,8810 11197.95,9077.95 11245,9078 11292.05,9077.95 10210,9080 11915,9080 10180,9088.04 10240,9088.04 11885,9088.04 11945,9088.04 10158.04,9110 10261.96,9110 11863.04,9110 11966.96,9110 11198,9125 11245,9125 11292,9125 10150,9140 10270,9140 11855,9140 11975,9140 10158.04,9170 10261.96,9170 11863.04,9170 11966.96,9170 11197.95,9172.05 11245,9172 11292.05,9172.05 10180,9191.96 10240,9191.96 11885,9191.96 11945,9191.96 10210,9200 11915,9200
HEARTBEAT: D7.2 U1.F1 U4.1
INITN: C146.1 J4.10 R31.2 TP24.1 U1.V3 | length 22.3
  Top Layer w10: v1(10711.64,7512.5) U1.V3@10733.91,7512.5
LDM: R66.1 TP53.1 U2.E7 | length 22.3
  Top Layer w12: U2.E7@10743.09,8740.94 v1(10758.84,8756.69)
MISO: J3.18
MOSI: J3.16
NetC120_1: C120.1 J8.A7 J8.B7
NetC121_1: C121.1 J8.A6 J8.B6
NetC122_1: C122.1 J8.B10
NetC123_1: C123.1 J8.A10
NetC124_1: C124.1 J8.B11
NetC125_1: C125.1 J8.A11
NetC126_1: C126.1 J8.A3
NetC127_1: C127.1 J8.B3
NetC128_1: C128.1 J8.A2
NetC129_1: C129.1 J8.B2
NetC159_1: C159.1 C160.1 C161.1 C162.1 C163.1 FB9.2 U6.4
  other v1: 11452.68,7193.68
NetC175_1: C175.1 U7.15
NetC214_1: C214.1 U9.15
NetC215_1: C215.1 U10.15
NetC216_1: C216.1 U11.15
NetD7_1: D7.1 R43.2
NetD9_1: D9.1 R45.2
NetD9_2: D9.2 U1.H1 | length 22.3
  Top Layer w10: U1.H1@10912.07,7779.75 v1(10912.07,7802.02)
NetD10_1: D10.1 R50.2
NetD10_2: D10.2 Q1.3
NetR1_2: R1.2 U1.V2 | length 22.3
  Top Layer w10: v1(10689.36,7534.77) U1.V2@10711.63,7534.77
NetR2_2: R2.2 U1.W2 | length 22.3
  Top Layer w10: v1(10667.09,7512.5) U1.W2@10689.36,7512.5
NetR3_2: R3.2 U1.U2 | length 22.3
  Top Layer w10: v1(10711.64,7557.04) U1.U2@10733.91,7557.04
NetR4_2: R4.2 U2.L8 | length 22.3
  Top Layer w12: U2.L8@10774.59,8551.97 v1(10790.34,8536.22)
NetR49_1: R49.1 U4.7
NetR55_2: R55.2 TP44.1 U7.9
NetR57_1: R57.1 TP41.1 U7.11
NetR59_1: R59.1 TP42.1 U8.2
NetR88_2: R88.2 R98.1 U9.11
NetR89_2: R89.2 TP75.1 U9.9
NetR90_2: R90.2 R100.1 U10.11
NetR91_2: R91.2 TP76.1 U10.9
NetR92_2: R92.2 R102.1 U11.11
NetR93_2: R93.2 TP77.1 U11.9
NetR94_2: R94.2 R97.1
NetU1_L20: U1.L20 U6.3 | length 22.3
  Top Layer w10: v1(11268.41,7267.52) U1.L20@11268.41,7289.79
ODT: U2.K1 | length 22.3
  Top Layer w12: v1(10538.37,8567.72) U2.K1@10554.12,8583.46
PROGRAMN: C147.1 J4.4 R32.2 R44.1 TP25.1 U1.W3 | length 22.3
  Top Layer w10: v1(10689.36,7490.23) U1.W3@10711.63,7490.23
RAS: R70.1 TP57.1
RESET: C158.1 R49.2 R51.2 SW1.1 SW1.4 TP37.1 U1.G2 | length 22.3
  Top Layer w10: U1.G2@10956.62,7779.75 v1(10956.62,7802.02)
SATA1_RX_N: J3.10
SATA1_RX_P: J3.8
SATA1_TX_N: J3.4
SATA1_TX_P: J3.2
SATA2_RX_N: J3.11
SATA2_RX_P: J3.9
SATA2_TX_N: J3.5
SATA2_TX_P: J3.3
SCL: J3.17
SCLK: J3.14
SDA: J3.15
TCK: D3.3 D8.5 J4.8 R39.1 TP29.1 U1.T5 | length 22.3
  Top Layer w10: v1(10800.72,7512.5) U1.T5@10822.99,7512.5
TDI: D4.3 D8.4 J4.3 R36.2 TP30.1 U1.R5 | length 22.3
  Top Layer w10: v1(10822.99,7534.77) U1.R5@10845.26,7534.77
TDO: D5.3 D8.2 J4.2 R37.2 TP31.1 U1.V4 | length 22.3
  Top Layer w10: v1(10733.91,7490.23) U1.V4@10756.18,7490.23
TMS: D6.3 D8.1 J4.6 R38.2 TP32.1 U1.U5 | length 22.3
  Top Layer w10: v1(10778.45,7490.23) U1.U5@10800.72,7490.23
UDM: R63.1 TP50.1 U2.D3 | length 22.3
  Top Layer w12: v1(10601.36,8788.19) U2.D3@10617.11,8772.44
USB1_CC1: C130.1 J8.A5 TP11.1
USB1_CC2: C131.1 J8.B5 TP12.1
USB1_DIN_N: L1.3
USB1_DIN_P: L1.2
USB1_DPEQ0: R16.2 R22.1 TP16.1 U3.14
USB1_DPEQ1: R15.2 R21.1 TP15.1 U3.2
USB1_EQ0: R20.2 R26.1 TP20.1 U3.38
USB1_EQ1: R19.2 R25.1 TP19.1 U3.35
USB1_FAULT: R12.2 TP8.1
USB1_HPDIN: R27.2 R29.1 TP22.1 U3.23
USB1_I2C_EN: R28.1 U3.17
USB1_IN_DIN_N: C120.2 L1.4
USB1_IN_DIN_P: C121.2 L1.1
USB1_IN_RX1_N: C122.2 L2.4
USB1_IN_RX1_P: C124.2 L2.1
USB1_IN_RX2_N: C123.2 L3.4
USB1_IN_RX2_P: C125.2 L3.1
USB1_IN_TX1_N: C126.2 L4.4
USB1_IN_TX1_P: C128.2 L4.1
USB1_IN_TX2_N: C127.2 L5.4
USB1_IN_TX2_P: C129.2 L5.1
USB1_LD_DET: R13.2 TP9.1
USB1_POL: R14.2 TP10.1
USB1_RX1_N: D1.1 L2.3 U3.31
USB1_RX1_P: D1.4 L2.2 U3.30
USB1_RX2_N: D1.2 L3.3 U3.39
USB1_RX2_P: D1.5 L3.2 U3.40
USB1_RX_N: U3.4
USB1_RX_P: U3.5
USB1_SBU1: J8.A8 TP14.1 U3.26
USB1_SBU2: J8.B8 TP13.1 U3.27
USB1_SCL: R10.2 TP6.1 U3.21
USB1_SDA: R11.2 TP7.1 U3.22
USB1_SSEQ0: R18.2 R24.1 TP18.1 U3.11
USB1_SSEQ1: R17.2 R23.1 TP17.1 U3.3
USB1_SW_OUT: C140.1 C141.1 C142.1
USB1_TX1_N: D2.1 L4.3 U3.34
USB1_TX1_P: D2.4 L4.2 U3.33
USB1_TX2_N: D2.2 L5.3 U3.36
USB1_TX2_P: D2.5 L5.2 U3.37
USB1_TX_N: U3.7
USB1_TX_P: U3.8
VDDR_FB: R56.2 R58.1 U7.16
VTT_VIN: C170.1 C171.1 C172.1 FB11.2 TP39.1 U8.5 U8.7
WD_SET0: R48.2 R54.1 U4.4
WD_SET1: R47.2 R53.1 U4.5
WD_SET2: R46.2 R52.1 U4.6
WE: R76.1 TP63.1
pads on no net: D1. D1.6 D2. D2.6 D3. D4. D5. D6. D8. D8.6 FD1.1 FD2.1 FD3.1 FD4.1 FD5.1 FD6.1 J1. J2. J4. J4.5 J5. J6. J7. J8. Q1. U1.1 U1.A2 U1.A3 U1.A4 U1.A5 U1.A6 U1.A7 U1.A8 U1.A9 U1.A10 U1.A11 U1.A12 U1.A13 U1.A14 U1.A15 U1.A16 U1.A17 U1.A18 U1.A19 U1.B1 U1.B2 U1.B3 U1.B4 U1.B5 U1.B6 U1.B8 U1.B9 U1.B10 U1.B11 U1.B12 U1.B13 U1.B15 U1.B16 U1.B17 U1.B18 U1.B19 U1.B20 U1.C1 U1.C2 U1.C3 U1.C4 U1.C5 U1.C6 U1.C7 U1.C8 U1.C9 U1.C10 U1.C11 U1.C12 U1.C13 U1.C14 U1.C15 U1.C16 U1.C17 U1.C18 U1.C20 U1.D1 U1.D2 U1.D3 U1.D5 U1.D6 U1.D7 U1.D8 U1.D9 U1.D10 U1.D11 U1.D12 U1.D13 U1.D14 U1.D15 U1.D16 U1.D17 U1.D18 U1.D19 U1.D20 U1.E1 U1.E2 U1.E3 U1.E4 U1.E5 U1.E6 U1.E7 U1.E8 U1.E9 U1.E10 U1.E11 U1.E12 U1.E13 U1.E14 U1.E15 U1.E16 U1.E17 U1.E18 U1.E19 U1.E20 U1.F2 U1.F3 U1.F4 U1.F5 U1.F9 U1.F10 U1.F11 U1.F12 U1.F16 U1.F17 U1.F18 U1.F19 U1.F20 U1.G1 U1.G3 U1.G5 U1.G16 U1.G18 U1.G19 U1.G20 U1.H2 U1.H3 U1.H4 U1.H5 U1.H6 U1.H7 U1.H14 U1.H15 U1.H16 U1.H17 U1.H18 U1.H20 U1.J1 U1.J3 U1.J4 U1.J5 U1.J6 U1.J15 U1.J16 U1.J17 U1.J18 U1.J19 U1.J20 U1.K1 U1.K2 U1.K3 U1.K4 U1.K5 U1.K16 U1.K17 U1.K18 U1.K19 U1.K20 U1.L1 U1.L2 U1.L3 U1.L4 U1.L5 U1.L6 U1.L7 U1.L14 U1.L15 U1.L16 U1.L17 U1.L18 U1.L19 U1.M1 U1.M3 U1.M4 U1.M5 U1.M6 U1.M15 U1.M17 U1.M18 U1.M19 U1.M20 U1.N1 U1.N2 U1.N3 U1.N4 U1.N5 U1.N16 U1.N17 U1.N18 U1.N19 U1.N20 U1.P1 U1.P2 U1.P3 U1.P4 U1.P5 U1.P16 U1.P17 U1.P18 U1.P19 U1.P20 U1.R1 U1.R2 U1.R3 U1.R16 U1.R17 U1.R18 U1.R20 U1.T1 U1.T2 U1.T3 U1.T8 U1.T9 U1.T12 U1.T13 U1.T16 U1.T17 U1.T18 U1.T19 U1.T20 U1.U1 U1.U16 U1.U17 U1.U18 U1.U19 U1.U20 U1.V1 U1.W1 U1.W4 U1.W5 U1.W8 U1.W9 U1.W10 U1.W11 U1.W13 U1.W14 U1.W17 U1.W18 U1.W20 U1.Y2 U1.Y5 U1.Y6 U1.Y7 U1.Y8 U1.Y11 U1.Y12 U1.Y14 U1.Y15 U1.Y16 U1.Y17 U1.Y19 U2.1 U2.J1 U2.J9 U2.K7 U2.L1 U2.L9 U2.M7 U3. U3.9 U3.10 U3.12 U3.13 U3.15 U3.16 U3.18 U3.19 U3.24 U3.25 U3.29 U3.32 U4. U4.3 U5. U5.3 U5.7 U6. U6.1 U7. U8. U9. U10. U11.